# Altium PCB Cubli_Control_Board.PcbDoc (part 1 of 2) (continued)
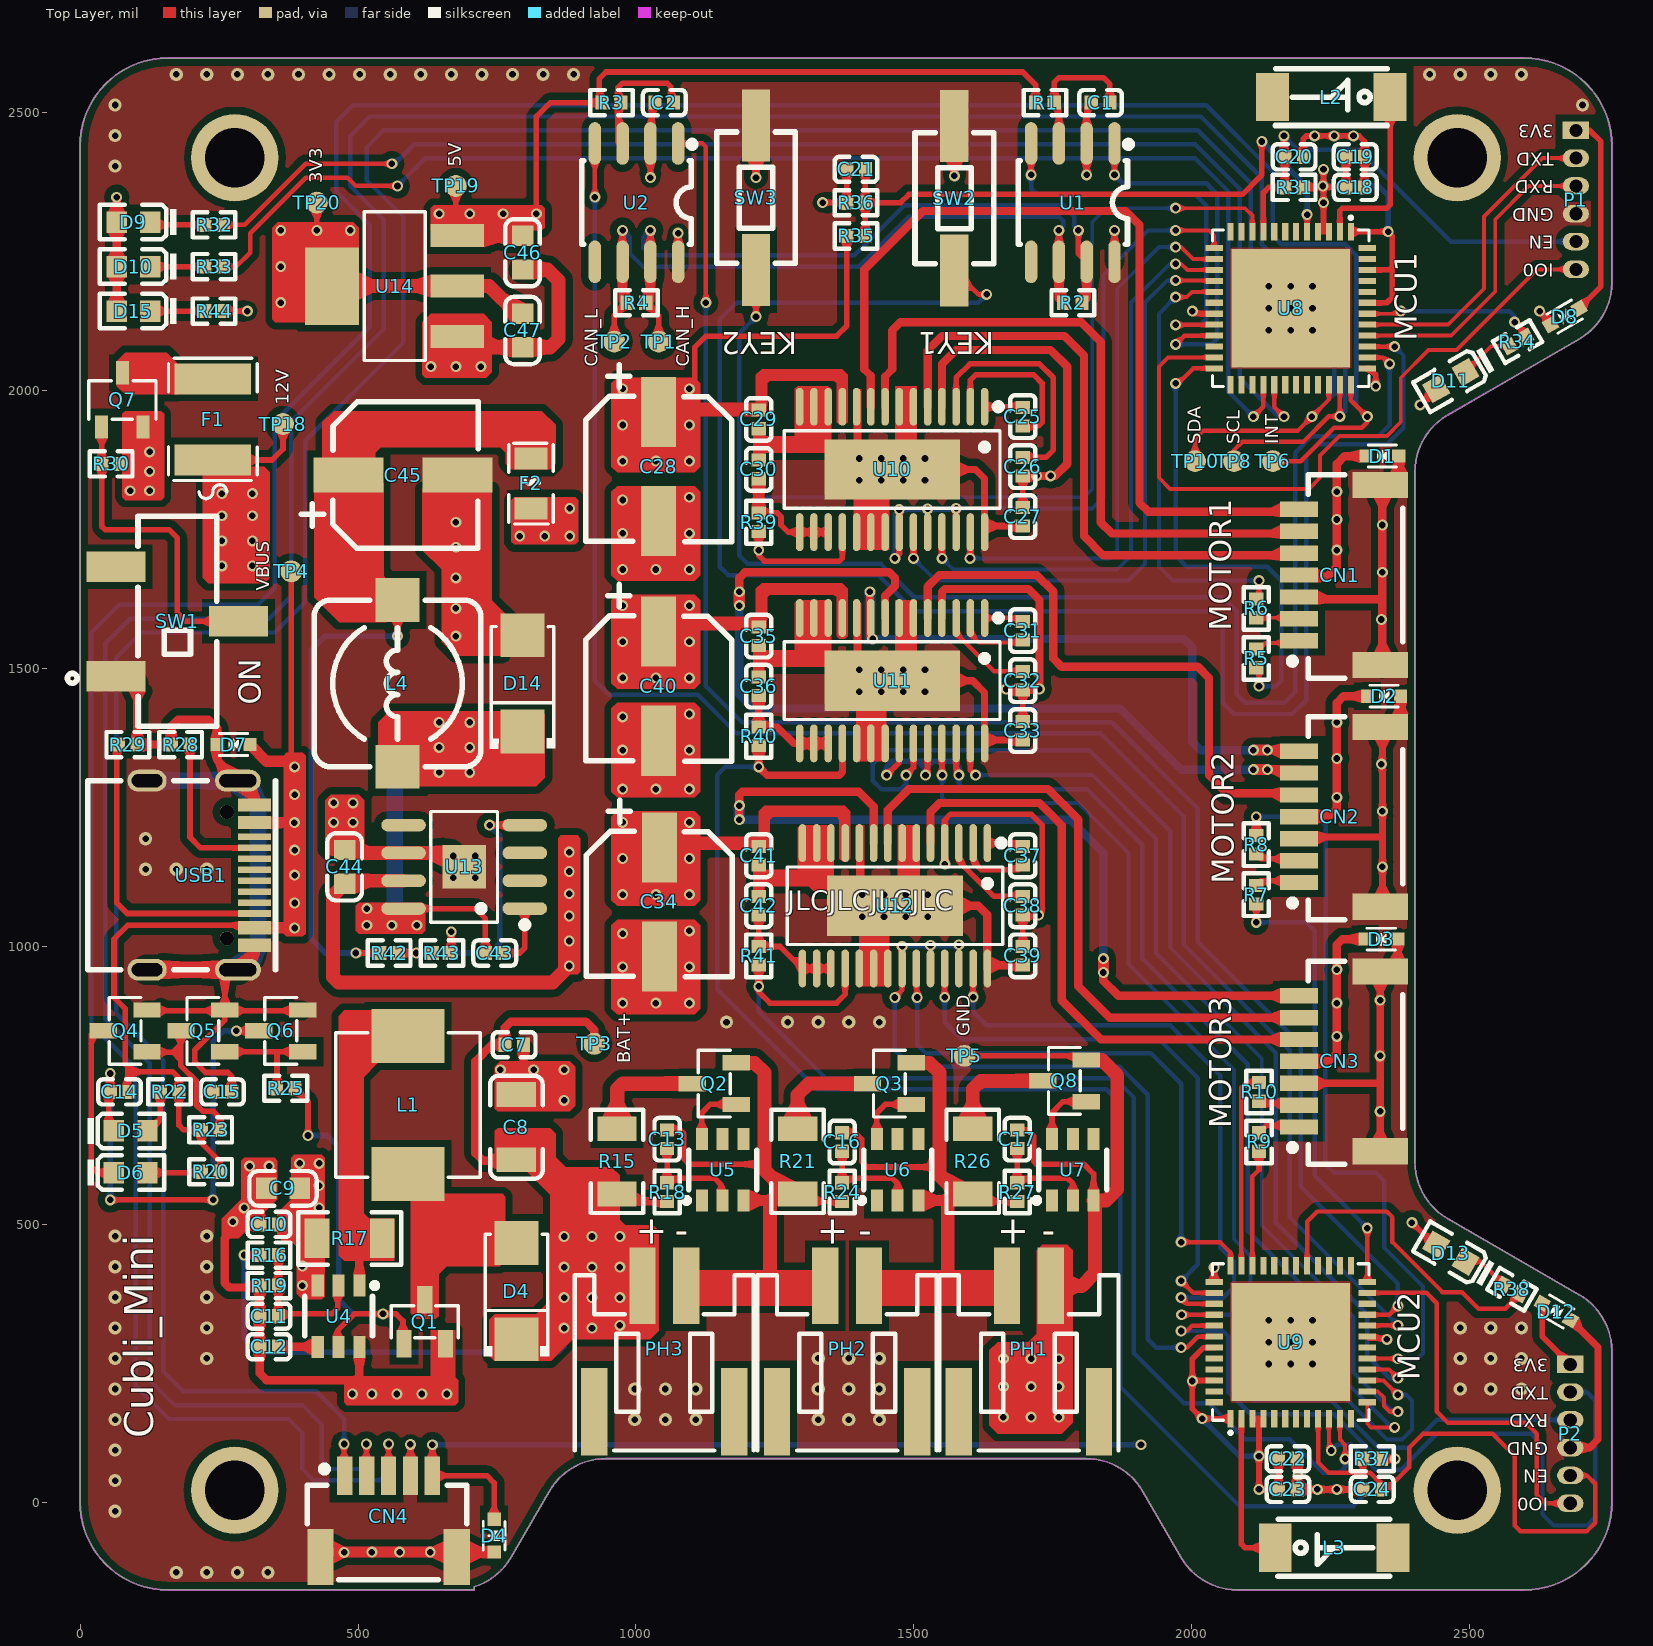
[diagram p0: Top Layer view]
## Components (designator, comment, footprint, x,y, rotation, side; value= is the part's Value field where it differs from the comment) (continued)
D13 "绿灯 0603" 0603_LED_S1 2466,448.36 r150 top
D14 "SS34K" SMA_L4.3-W2.6-LS5.2-RD 796,1473.36 r90 top
D15 "红灯 0603" 0603_LED_S1 96,2143.36 r180 top
F1 "MF-MSMF250/16X-2" F1812 239,1948.36 r90 top
F2 "JK-SMD0805-300L" F0805 811,1833.36 r270 top
L1 "33uH ±20% 2A" IND-SMD_L7.1-W6.6 590,715 r90 top
L2 "AN2051-245" ANT2051 2251,2528.36 r180 top
L3 "AN2051-245" ANT2051 2256,-81.64 r0 top
L4 "22uH ±20% 3A" CDRH74 571,1473.36 r90 top
P1 "HDR1.27-LI-6P" HDR1.27-LI-6P 2691,2343.36 r270 top
P2 "HDR1.27-LI-6P" HDR1.27-LI-6P 2681,123.36 r270 top
PH1 "PH2.0-WS-2P" PH2.0-WS-2P 1707,163.36 r0 top
PH2 "PH2.0-WS-2P" PH2.0-WS-2P 1380,163.36 r0 top
PH3 "PH2.0-WS-2P" PH2.0-WS-2P 1051,163.36 r0 top
Q1 "AO3400A_C700953" SOT-23-3_L2.9-W1.3-P1.90-LS2.4-BR 620,325 r270 top
Q2 "AP2300" SOT-23-3_L2.9-W1.3-P0.95-LS2.4-BR 1141,753.36 r0 top
Q3 "AP2300" SOT-23-3_L2.9-W1.3-P0.95-LS2.4-BR 1456,753.36 r0 top
Q4 "SS8050" SOT-23-3_L2.9-W1.3-P1.90-LS2.4-BR 81,848.36 r0 top
Q5 "SS8050" SOT-23-3_L2.9-W1.3-P1.90-LS2.4-BR 221,848.36 r0 top
Q6 "SS8050" SOT-23-3_L2.9-W1.3-P1.90-LS2.4-BR 361,848.36 r0 top
Q7 "AP2335" SOT-23-3_L2.9-W1.6-P1.90-LS2.8-BR 76,1983.36 r270 top
Q8 "AP2300" SOT-23-3_L2.9-W1.3-P0.95-LS2.4-BR 1771,758.36 r0 top
R1 "0Ω (0R0) ±1%" 0402_R 1736,2518.36 r0 top
R2 "120Ω (1200) ±1%" 0402_R 1786,2158.36 r0 top
R3 "0Ω (0R0) ±1%" 0402_R 956,2518.36 r0 top
R4 "120Ω (1200) ±1%" 0402_R 1001,2158.36 r0 top
R5 "56Ω ±1%" 0402_R 2116,1518.36 r90 top
R6 "56Ω ±1%" 0402_R 2116,1608.36 r270 top
R7 "56Ω ±1%" 0402_R 2116,1093.36 r90 top
R8 "56Ω ±1%" 0402_R 2116,1183.36 r270 top
R9 "56Ω ±1%" 0402_R 2121,648.36 r90 top
R10 "56Ω ±1%" 0402_R 2121,738.36 r270 top
R15 "100Ω ±1%" 1206_R 966,613.36 r270 top
R16 "19.1kΩ ±1%" 0402_R 340,445 r180 top
R17 "0.1Ω (R100) ±1%" 1206_R 485,475 r0 top
R18 "1KΩ (1001) ±1%" 0402_R 1056,558.36 r270 top
R19 "2KΩ (2001) ±1%" 0402_R 340,390 r0 top
R20 "1KΩ (1001) ±1%" 0402_R 235,595 r0 top
R21 "100Ω ±1%" 1206_R 1291,613.36 r270 top
R22 "1KΩ (1001) ±1%" 0402_R 161,738.36 r180 top
R23 "22KΩ (2202) ±1%" 0402_R 235,670 r180 top
R24 "1KΩ (1001) ±1%" 0402_R 1371,558.36 r270 top
R25 "22KΩ (2202) ±1%" 0402_R 370,745 r0 top
R26 "100Ω ±1%" 1206_R 1606,613.36 r270 top
R27 "1KΩ (1001) ±1%" 0402_R 1686,558.36 r270 top
R28 "5.1KΩ (5101) ±1%" 0402_R 181,1363.36 r180 top
R29 "5.1KΩ (5101) ±1%" 0402_R 86,1363.36 r0 top
R30 "10KΩ (1002) ±1%" 0402_R 56,1868.36 r0 top
R31 "10KΩ (1002) ±1%" 0402_R 2184.19,2365.72 r180 top
R32 "1KΩ (1001) ±1%" 0402_R 241,2298.36 r0 top
R33 "1KΩ (1001) ±1%" 0402_R 241,2223.36 r0 top
R34 "1KΩ (1001) ±1%" 0402_R 2586,2088.36 r30 top
R35 "42.2kΩ ±0.5%" 0402_R 1396,2278.36 r180 top
R36 "10KΩ (1002) ±1%" 0402_R 1396,2338.36 r0 top
R37 "10KΩ (1002) ±1%" 0402_R 2324.74,78.36 r180 top
R38 "1KΩ (1001) ±1%" 0402_R 2576,383.36 r330 top
R39 "10KΩ (1002) ±1%" 0402_R 1221,1763.36 r90 top
R40 "10KΩ (1002) ±1%" 0402_R 1221,1378.36 r90 top
R41 "10KΩ (1002) ±1%" 0402_R 1221,983.36 r90 top
R42 "10KΩ (1002) ±1%" 0402_R 556,988.36 r180 top
R43 "3.3KΩ (3301) ±1%" 0402_R 651,988.36 r180 top
R44 "1KΩ (1001) ±1%" 0402_R 241,2143.36 r180 top
SW1 "LSSAM12-V-T/R" SW-SMD_LSSAM12-V-T-R 175,1585 r90 top
SW2 "DTSML-31S-V-T/R" SW-SMD_L6.0-W3.5-LS9.0-1 1573,2346.36 r90 top
SW3 "DTSML-31S-V-T/R" SW-SMD_L6.0-W3.5-LS9.0-1 1216,2347.36 r90 top
TP1 "TP" TP_1X1MM 1041,2088.36 r90 top
TP2 "TP" TP_1X1MM 961,2088.36 r90 top
TP3 "TP" TP_1X1MM 925,825 r90 top
TP4 "TP" TP_1X1MM 380,1675 r90 top
TP5 "TP" TP_1X1MM 1591,803.36 r90 top
TP6 "TP" TP_1X1MM 2146,1873.36 r90 top
TP8 "TP" TP_1X1MM 2076,1873.36 r90 top
TP10 "TP" TP_1X1MM 2006,1873.36 r90 top
TP18 "TP" TP_1X1MM 365,1940 r90 top
TP19 "TP" TP_1X1MM 676,2368.36 r90 top
TP20 "TP" TP_1X1MM 426,2338.36 r180 top
U1 "TJA1040T/CM,118" SOIC-8_L5.0-W4.0-P1.27-LS6.0-BL 1786,2338.36 r180 top
U2 "TJA1040T/CM,118" SOIC-8_L5.0-W4.0-P1.27-LS6.0-BL 1001,2338.36 r180 top
U4 "CN3300" SOT-23-6_L2.9-W1.6-P0.95-LS2.8-BR 465,335 r90 top
U5 "CM1010-A" SOT-23-6_L2.9-W1.6-P0.95-LS2.8-BR 1156,598.36 r270 top
U6 "CM1010-A" SOT-23-6_L2.9-W1.6-P0.95-LS2.8-BR 1471,598.36 r270 top
U7 "CM1010-A" SOT-23-6_L2.9-W1.6-P0.95-LS2.8-BR 1786,598.36 r270 top
U8 "ESP32-PICO-D4" QFN-48_L7.0-W7.0-P0.50-BL-EP5.4 2178,2148.36 r180 top
U9 "ESP32-PICO-D4" QFN-48_L7.0-W7.0-P0.50-BL-EP5.4 2178,288.36 r0 top
U10 "DRV8313PWPR" HTSSOP-28_L9.8-W4.5-P0.65-LS6.6-BL-EP 1461,1858.36 r180 top
U11 "DRV8313PWPR" HTSSOP-28_L9.8-W4.5-P0.65-LS6.6-BL-EP 1461,1478.36 r180 top
U12 "DRV8313PWPR" HTSSOP-28_L9.8-W4.5-P0.65-LS6.6-BL-EP 1466,1073.36 r180 top
U13 "TPS5430DDAR" SOIC-8_L5.0-W4.0-P1.27-LS6.0-BL-EP2.0 691,1143.36 r90 top
U14 "AMS1117-3.3V" SOT-223_L6.5-W3.5-P2.30-LS7.0-BR 566,2188.36 r0 top
USB1 "TYPE-C16PIN" TYPE-C16PIN 217,1128.36 r270 top

## Footprints (in the part's own frame and the unit in brackets; to place one, negate y for a bottom-side part, rotate by r counter-clockwise, add the part's x,y. Pads: shape width x height; smd on the part's side, far side on the other; paste and mask are expansions set on the pad)
0402_C [mm]
  rect 0.6x0.65 smd mask+0.051: 1(-0.425,0) 2(0.425,0)
  silkscreen extent -0.97,-0.58 0.97,0.58, body extent -0.48,-0.3 0.52,0.3, height 0.2
0402_R [mm]
  rect 0.6x0.65 smd mask+0.051: 1(-0.425,0) 2(0.425,0)
  silkscreen extent -0.97,-0.58 0.97,0.58, body extent -0.57,-0.27 0.58,0.28, height 0.41
0603_C [mm]
  rect 0.93x0.98 smd: 1(-0.77,0) 2(0.77,0)
  silkscreen extent -1.53,-0.79 1.54,0.79, body extent -0.8,-0.4 0.8,0.4, height 0.3
0603_LED_S1 [mm]
  rect 0.93x0.98 smd: A(0.77,0) K(-0.77,0)
  silkscreen extent -1.97,-0.79 1.54,0.79, body extent -0.8,-0.4 0.8,0.4, height 0.6
1206_C [mm]
  rect 1.13x1.8 smd: 1(-1.49,0) 2(1.49,0)
  silkscreen extent -2.36,-1.2 2.35,1.2, body extent -1.6,-0.81 1.6,0.79, height 1
1206_R [mm]
  rect 1.13x1.8 smd: 1(-1.49,0) 2(1.49,0)
  silkscreen extent -2.36,-1.2 2.35,1.2, body extent -1.7,-0.86 1.65,0.87, height 0.85
ANT2051 [mm]
  rect 1.5x2.2 smd: 1(-2.69,0) 2(2.69,0)
  silkscreen extent -2.56,-1.3 2.55,1.3, body extent -2.69,-0.95 2.51,1.05, height 1.2
CAP-SMD_L6.6-W6.6 [mm]
  rect 3.2x1.6 smd: 1(2.492,0) 2(-2.492,0)
  silkscreen extent -3.43,-3.34 4.65,3.34, body extent -3.6,-3.33 3.4,3.27, height 5.2
CDRH74 [mm] "7.3*7.3*4.5mm（长宽高）"
  rect 2x2 smd: 1(-3.81,0) 2(3.81,0)
  silkscreen extent -3.81,-3.81 3.81,3.81, body extent -3.65,-3.65 3.65,3.65, height 4.5
CONN-SMD_5P-P1.00_HCTL_HC-1.0-5PWT [mm]
  rect 0.7x1.75 smd: 1(-2,1.855) 2(-1,1.855) 3(0,1.855) 4(1,1.855) 5(2,1.855)
  rect 1.2x2.55 smd: 6(3.11,-1.855) 7(-3.11,-1.855)
  silkscreen extent -3.71,-2.89 3.58,2.31, body extent -3.65,-2.91 3.65,2.14, height 3.14
CONN-SMD_HC-1.0-7PWT [mm]
  rect 0.7x1.75 smd: 1(-3,1.855) 2(-2,1.855) 3(-1,1.855) 4(0,1.855) 5(1,1.855) 6(2,1.855) 7(3,1.855)
  rect 1.2x2.55 smd: 8(-4.11,-1.855) 9(4.11,-1.855)
  silkscreen extent -4.71,-2.89 4.58,2.31, body extent -4.65,-2.99 4.65,2.06, height 3.1
F0805 [mm]
  rect 1x1.5 smd: 1(-1.142,0) 2(1.142,0)
  silkscreen extent -1.83,-1.02 1.85,1.02, body extent -1,-0.58 1,0.64, height 0.52
F1812 [mil]
  rect 55.38x137.76 smd: 1(-72.97,0) 2(72.97,0)
  silkscreen extent -142,-80 110,80, body extent -91,-63 91,63, height 34
HDR1.27-LI-6P [mm] "直插，脚距：1.27mm"
  rect 0.8x1.2 hole 0.6: 1(-3.175,0)
  oval 0.8x1.2 hole 0.6: 2(-1.905,0) 3(-0.635,0) 4(0.635,0) 5(1.905,0) 6(3.175,0)
HTSSOP-28_L9.8-W4.5-P0.65-LS6.6-BL-EP [mm]
  oval 0.343x1.731 smd: 1(-4.225,-2.866) 2(-3.575,-2.866) 3(-2.925,-2.866) 4(-2.275,-2.866) 5(-1.625,-2.866) 6(-0.975,-2.866) 7(-0.325,-2.866) 8(0.325,-2.866) 9(0.975,-2.866) 10(1.625,-2.866) 11(2.275,-2.866) 12(2.925,-2.866) 13(3.575,-2.866) 14(4.225,-2.866) 15(4.225,2.866) 16(3.575,2.866) 17(2.925,2.866) 18(2.275,2.866) 19(1.625,2.866) 20(0.975,2.866) 21(0.325,2.866) 22(-0.325,2.866) 23(-0.975,2.866) 24(-1.625,2.866) 25(-2.275,2.866) 26(-2.925,2.866) 27(-3.575,2.866) 28(-4.225,2.866)
  rect 6.2x2.75 smd: 29(0,0)
  silkscreen extent -5,-3.02 4.93,1.77, body extent -4.85,-3.2 4.85,3.2, height 1.13
IND-SMD_L7.1-W6.6 [mm]
  rect 2.474x3.32 smd: 1(3.153,0) 2(-3.153,0)
  silkscreen extent -3.3,-3.3 3.3,3.3, body extent -3.5,-3.32 3.5,3.38, height 3.1
PH2.0-WS-2P [mm] "长：8mm，宽：7.6mm，高：5.5mm"
  rect 1.2x4 smd: 0(-3.2,-0.006) 0(3.2,-0.006)
  rect 1.2x3.5 smd: 1(-1,5.744) 2(1,5.744)
  silkscreen extent -4.1,-1.78 4.1,6.22, body extent -4,-1.65 4,6.95, height 5.55
QFN-48_L7.0-W7.0-P0.50-BL-EP5.4 [mm]
  rect 0.28x0.8 smd: 1(-2.75,-3.5) 2(-2.25,-3.5) 3(-1.75,-3.5) 4(-1.25,-3.5) 5(-0.75,-3.5) 6(-0.25,-3.5) 7(0.25,-3.5) 8(0.75,-3.5) 9(1.25,-3.5) 10(1.75,-3.5) 11(2.25,-3.5) 12(2.75,-3.5) 25(2.75,3.5) 26(2.25,3.5) 27(1.75,3.5) 28(1.25,3.5) 29(0.75,3.5) 30(0.25,3.5) 31(-0.25,3.5) 32(-0.75,3.5) 33(-1.25,3.5) 34(-1.75,3.5) 35(-2.25,3.5) 36(-2.75,3.5)
  rect 0.8x0.28 smd: 13(3.5,-2.75) 14(3.5,-2.25) 15(3.5,-1.75) 16(3.5,-1.25) 17(3.5,-0.75) 18(3.5,-0.25) 19(3.5,0.25) 20(3.5,0.75) 21(3.5,1.25) 22(3.5,1.75) 23(3.5,2.25) 24(3.5,2.75) 37(-3.5,2.75) 38(-3.5,2.25) 39(-3.5,1.75) 40(-3.5,1.25) 41(-3.5,0.75) 42(-3.5,0.25) 43(-3.5,-0.25) 44(-3.5,-0.75) 45(-3.5,-1.25) 46(-3.5,-1.75) 47(-3.5,-2.25) 48(-3.5,-2.75)
  rect 5.4x5.4 smd: 49(0,0)
  silkscreen extent -3.58,-4.21 3.58,3.58, body extent -3.56,-3.51 3.44,3.49, height 0.94
SMA_L4.3-W2.6-LS5.2-RD [mm]
  rect 2x2 smd: 1(-2.2,0) 2(2.2,0)
  silkscreen extent -2.98,-1.5 2.6,1.5, body extent -2.55,-1.3 2.55,1.3, height 2.15
SOD-523_L1.2-W0.8-LS1.6-BI [mm]
  rect 0.6x0.6 smd: 1(-0.75,0) 2(0.75,0)
  silkscreen extent -0.65,-0.5 0.65,0.5, body extent -0.75,-0.4 0.85,0.4, height 0.65
SOIC-8_L5.0-W4.0-P1.27-LS6.0-BL [mil]
  oval 22.38x76.78 smd: 1(-75,-106.5) 2(-25,-106.5) 3(25,-106.5) 4(75,-106.5) 5(75,106.5) 6(25,106.5) 7(-25,106.5) 8(-75,106.5)
  silkscreen extent -106,-111 98,75, body extent -98,-116 100,122, height 63
SOIC-8_L5.0-W4.0-P1.27-LS6.0-BL-EP2.0 [mm]
  oval 0.574x2.038 smd: 1(-1.905,-2.769) 2(-0.635,-2.769) 3(0.635,-2.769) 4(1.905,-2.769) 5(1.905,2.769) 6(0.635,2.769) 7(-0.635,2.769) 8(-1.905,2.769)
  rect 2x2 smd: 9(0,0)
  silkscreen extent -2.79,-2.92 2.53,1.52, body extent -2.49,-3 2.51,3, height 1.9
SOT-23-3_L2.9-W1.3-P0.95-LS2.4-BR [mm]
  rect 1.25x0.7 smd: 1(1,-0.95) 2(1,0.95) 3(-1,0)
  silkscreen extent -0.73,-1.53 0.73,1.53, body extent -1.2,-1.53 1.2,1.47, height 1.05
SOT-23-3_L2.9-W1.3-P1.90-LS2.4-BR [mm]
  rect 1.25x0.7 smd: 1(1,-0.95) 2(1,0.95) 3(-1,0)
  silkscreen extent -0.73,-1.53 0.73,1.53, body extent -1.2,-1.5 1.2,1.5, height 1.05
SOT-23-3_L2.9-W1.6-P1.90-LS2.8-BR [mm]
  rect 1.07x0.6 smd: 1(1.235,-0.95) 2(1.235,0.95) 3(-1.235,0)
  silkscreen extent -0.88,-1.54 0.88,1.54, body extent -1.2,-1.5 1.2,1.5, height 1.05
SOT-23-6_L2.9-W1.6-P0.95-LS2.8-BR [mm]
  rect 1x0.55 smd: 1(1.4,-0.95) 2(1.4,0) 3(1.4,0.95) 4(-1.4,0.95) 5(-1.4,0) 6(-1.4,-0.95)
  silkscreen extent -0.9,-1.78 1.52,1.55, body extent -1.4,-1.5 1.4,1.5, height 1.15
SOT-223_L6.5-W3.5-P2.30-LS7.0-BR [mm]
  rect 2.465x1.05 smd: 1(2.857,-2.3) 2(2.857,0) 3(2.857,2.3)
  rect 2.465x3.54 smd: 4(-2.857,0)
  silkscreen extent -1.4,-3.4 1.4,3.4, body extent -3.38,-3.25 3.64,3.25, height 1.65
SW-SMD_L6.0-W3.5-LS9.0-1 [mm]
  rect 3.3x1.3 smd: 1(-3.3,0) 2(3.3,0)
  silkscreen extent -3,-1.8 3,1.8, body extent -4.57,-1.77 4.63,1.73, height 5.1
SW-SMD_LSSAM12-V-T-R [mm]
  rect 1.4x2.7 smd: 1(-2.5,2.8) 2(0,-2.8) 3(2.5,2.8)
  silkscreen extent -4.8,-1.8 4.8,5.02, body extent -4.75,-3.74 4.75,3.76, height 5.45
TP_1X1MM [mm]
  round 1 smd: 1(0,0)
TYPE-C16PIN [mm]
  oval 1x2.099 hole 0.6 slot 1.7 at 90 deg: 1(-4.32,1.699) 2(4.32,1.699)
  oval 1x1.799 hole 0.6 slot 1.4 at 90 deg: 3(-4.32,-2.451) 4(4.32,-2.451)
  rect 0.6x1.5 smd: A1B12(-3.2,2.451) A4B9(-2.4,2.451) B1A12(3.2,2.451) B4A9(2.4,2.451)
  rect 0.3x1.5 smd: A5(-1.25,2.451) A6(-0.25,2.451) A7(0.25,2.451) A8(-1.75,2.451) B5(1.75,2.451) B6(0.75,2.451) B7(-0.75,2.451) B8(1.25,2.451)
  round 0.65 hole 0.65 unplated: ""(-2.89,1.199) ""(2.89,1.199)
  silkscreen extent -4.32,-5.17 4.32,3.42, body extent -4.47,-5.04 4.47,2.86, height 3.25

## Part data
C1 C2 C7 C10 C11 C13 C16 C17 C18 C21 C22 C26 C27 C29 C32 C33 C35 C38 C39 C41: library part "0402 100nF (104) 10% 16V", "贴片电容"
C8: library part "1206 1uF (105) 10% 50V", "贴片电容"
C9 C44 C46 C47: library part "0603 10uF (106) 10% 10V", "贴片电容"
C12: library part "0402 4.7uF (475) 20% 10V", "贴片电容"
C14 C15 C20 C24: library part "0402 1.0uF (105) 10% 25V", "贴片电容"
C19 C23 C30 C36 C42: library part "0402 10uF (106) 20% 6.3V", "贴片电容"
C25 C31 C37 C43: library part "0402 10nF (103) 10% 50V", "贴片电容"
C28 C34 C40 C45: library part C, "5*12.5*20"
D5 D15: library part "0603 红灯", "发光二极管"
D6 D10 D11 D13: library part "0603 绿灯", "发光二极管"
D9: library part "0603 蓝灯", "发光二极管"
F1 F2: library part JK
L1 L4: library part L
R1 R3: library part "0402 0Ω (0R0) 1%", "贴片电阻"
R2 R4: library part "0402 120Ω (1200) 1%", "贴片电阻"
R5 R6 R7 R8 R9 R10: library part "0402 56KΩ (5602) 1%", "贴片电阻"
R15 R21 R26: library part "1206 22Ω (22R0) 1%", "贴片电阻"
R16 R18 R20 R22 R24 R27 R32 R33 R34 R35 R38 R44: library part "0402 1KΩ (1001) 1%", "贴片电阻"
R17: library part "1206 0.1Ω (R100) 1%", "贴片电阻"
R19: library part "0402 2KΩ (2001) 1%", "贴片电阻"
R23 R25: library part "0402 22KΩ (2202) 1%", "贴片电阻"
R28 R29: library part "0402 5.1KΩ (5101) 1%", "贴片电阻"
R30 R31 R36 R37 R39 R40 R41 R42: library part "0402 10KΩ (1002) 1%", "贴片电阻"
R43: library part "0402 3.3KΩ (3301) 1%", "贴片电阻"

## Free pads (board coordinates)
  round 157.48 hole 106.3: 0(278.28,21.79) 0(278.28,2419.15) 0(2477.65,21.79) 0(2477.65,2419.19)

## Via types
v1: diameter 19.68, hole 11.81, Top Layer to Bottom Layer, tented both sides, 307 vias
v2: diameter 23.62, hole 11.81, Top Layer to Bottom Layer, tented both sides, 98 vias
v3: diameter 24.02, hole 12, Top Layer to Bottom Layer, tented both sides, 18 vias
v4: diameter 24, hole 12, Top Layer to Bottom Layer, 4 vias

## Nets (pads, with @x,y where several pads share a name; then routed paths per layer and width w, separated by ;. In a path a pad name is that pad's centre, name@x,y a point inside that pad or via, vN(x,y) a via of type N, cw(c..) or ccw(c..) an arc to the next point about the centre after c; other vN are vias at no path point)
BAT1+: C16.1 PH1.1 PH2.2 Q3.2 R26.2 R27.2 U6.3 | length 838.7
  Top Layer w10: C16.1@1371,665.09 1394.27,665.09 1406,653.36 1406,613.36 1416,603.36 1546,603.36 ; R26.2@1619.07,541.63 R27.2@1686,541.63
  Top Layer w20: U6.3@1508.4,543.24 R26.2@1594.54,543.24
  Top Layer w25: Q3.2@1495.37,790.76 1528.6,790.76 1546,773.36 1546,603.36 1546,588.36 1579.66,554.7 R26.2@1594.54,554.7 ; 1561,388.36 1561,544.7
BAT2+: C13.1 PH2.1 PH3.2 Q2.2 R21.2 R24.2 U5.3 | length 830.9
  Top Layer w10: C13.1@1056,670.09 1079.27,670.09 1086,663.36 1086,618.36 1096,608.36 1231,608.36 ; R21.2@1304.07,541.63 R24.2@1371,541.63
  Top Layer w20: U5.3@1193.4,543.24 R21.2@1274.54,543.24
  Top Layer w25: Q2.2@1180.37,790.76 1213.6,790.76 1231,773.36 1231,598.36 1274.66,554.7 R21.2@1291,554.7 ; 1241,388.36 1241,533.36
BAT3+: C7.2 C8.2 D4.1@785,293.38 PH3.1 Q7.2 R15.2 R16.2 R18.2 R30.2 TP3.1 | length 1407.1
  Top Layer w10: v1(295,445) R16.2@323.27,445
  Top Layer w15: C7.2@759.27,823.36 741,823.36 711,793.36 711,628.36 724.66,614.7 C8.2@781,614.7 ; C7.2@764.27,823.36 764.27,854.27 775,865 910,865 925,850 TP3.1@925,825 ; R15.2@979.07,541.63 R18.2@1056,541.63
  Bottom Layer w10: v1(295,445) 295,295 320,270 860,270 871,281 v1(871,313.36)
  other v1: 921,313.36 971,318.36 871,368.36 921,368.36 971,368.36 871,423.36 921,423.36 971,423.36 871,478.36 921,478.36 971,478.36 90,1820 125,1820 125,1855 125,1890
BAT_ADC1_CH0: C21.2 R35.1 R36.2 U8.5 | length 1109.9
  Top Layer w7: U8.5@2207.53,2286.16 v1(2207.53,2316.83)
  Top Layer w10: R35.1@1412.73,2278.36 R36.2@1412.73,2338.36 ; C21.2@1412.73,2398.36 R36.2@1412.73,2338.36 ; v1(2126,2448.36) 2126,2388.36 2091,2353.36 1491,2353.36 1476,2338.36 R36.2@1412.73,2338.36
  Bottom Layer w10: v1(2126,2448.36) 2207.53,2366.83 v1(2207.53,2316.83)
CAN1_RXD: U1.4 U8.20 | length 742.7
  Top Layer w8: v1(1711,2388.36) U1.4@1711,2444.86 ; v1(1971,2118.45) 2040.21,2118.45 U8.20@2040.21,2118.82
  Bottom Layer w8: v1(1711,2388.36) 1711,2363.36 1721,2353.36 2006,2353.36 2026.09,2333.27 2026.09,2128.45 2016.09,2118.45 v1(1971,2118.45)
CAN1_TXD: U1.1 U8.21 | length 670.9
  Top Layer w8: v1(1861,2388.36) U1.1@1861,2444.86 ; v1(1971,2083.36) 1986.78,2099.14 U8.21@2040.21,2099.14
  Bottom Layer w8: v1(1861,2388.36) 1876,2373.36 2026,2373.36 2046,2353.36 2046,2093.36 2036,2083.36 v1(1971,2083.36)
CAN2_RXD: U2.4 U9.20 | length 3258
  Top Layer w8: v1(926,2348.36) U2.4@926,2444.86 ; U9.20@2315.79,317.9 2315.79,318.11 2316.04,318.36 v1(2371,318.36)
  Bottom Layer w8: v1(926,2348.36) 926,1478.36 951,1453.36 1111,1453.36 1181,1383.36 1836,1383.36 1986,1233.36 1986,1003.36 2176,813.36 2176,513.36 v1(2371,318.36)
CAN2_TXD: U2.1 U9.21 | length 3104.7
  Top Layer w8: U2.1@1076,2444.86 1119.5,2444.86 1126,2438.36 v1(1126,2158.36) ; U9.21@2315.8,337.58 2355.22,337.58 v1(2371,353.36)
  Bottom Layer w8: v1(1126,2158.36) 1126,1468.36 1191,1403.36 1856,1403.36 2011,1248.36 2011,1008.36 2196,823.36 2196,568.36 2356,408.36 2371,393.36 v1(2371,353.36)
CAN_N: R2.1 R4.1 TP2.1 U1.6 U2.6 | length 1220.1
  Top Layer w10: TP2.1@961,2088.36 961,2135.09 R4.1@984.27,2158.36 ; U2.6@976,2231.86 v1(976,2288.36) ; U1.6@1761,2231.86 v1(1761,2288.36)
  Top Layer w15: R4.1@976,2161.63 U2.6@976,2226.86 ; R2.1@1761,2166.63 U1.6@1761,2231.86
  Bottom Layer w8: v1(976,2288.36) 988.5,2275.86 988.5,2247.58 1012.72,2223.36 1401,2223.36 1491,2313.36 1761,2313.36 1768.5,2305.86 1768.5,2295.86 v1(1761,2288.36)
CAN_P: R2.2 R4.2 TP1.1 U1.7 U2.7 | length 1241.1
  Top Layer w10: R4.2@1017.73,2158.36 1020.23,2155.86 1041,2135.09 TP1.1@1041,2088.36 ; U2.7@1026,2231.86 v1(1026,2288.36) ; v1(1796,2288.36) 1796,2246.86 U1.7@1811,2231.86
  Top Layer w15: R4.2@1020.23,2155.86 1026,2161.63 U2.7@1026,2226.86 ; R2.2@1802.73,2158.36 1811,2166.63 U1.7@1811,2231.86
  Bottom Layer w8: v1(1026,2288.36) 1013.5,2275.86 1013.5,2255.86 1026,2243.36 1392.72,2243.36 1482.72,2333.36 1769.28,2333.36 1788.5,2314.14 1788.5,2295.86 v1(1796,2288.36)
GND: C1.1 C2.1 C7.1 C8.1 C9.1 C10.1 C11.1 C12.1 C15.1 C17.1 C18.1 C19.1 C20.1 C21.1 C22.1 C23.1 C24.1 C27.1 C28.2 C29.1 C30.1 C33.1 C34.2 C35.1 C36.1 C39.1 C40.2 C41.1 C42.1 C44.2 C45.2 C46.1 C47.1 CN1.3 CN1.8 CN1.9 CN2.3 CN2.8 CN2.9 CN3.3 CN3.8 CN3.9 CN4.4 CN4.6 CN4.7 D1.2 D2.2 D3.2 D4.2@745,-89.53 D7.1 D8.1 D12.1 D14.2 P1.4 P2.4 PH1.2 Q1.2 Q4.2 Q5.2 Q6.2 Q8.2 R19.1 R28.2 R29.2 R36.1 R43.1 R44.1 SW1.1 SW2.2 SW3.2 TP5.1 U1.2 U1.8 U2.2 U2.8 U4.6 U7.3 U8.49 U9.49 U10.6 U10.7 U10.10 U10.12 U10.13 U10.14 U10.19 U10.20 U10.21 U10.28 U10.29 U11.6 U11.7 U11.10 U11.12 U11.13 U11.14 U11.19 U11.20 U11.21 U11.28 U11.29 U12.6 U12.7 U12.10 U12.12 U12.13 U12.14 U12.19 U12.20 U12.21 U12.28 U12.29 U13.6 U13.9 U14.1 USB1.1 USB1.2 USB1.3 USB1.4 USB1.A1B12 USB1.B1A12 | length 8565
  Top Layer w10: Q4.2@119.37,884.76 Q5.2@260.37,884.76 ; R44.1@257.73,2143.36 v1(301,2143.36) ; USB1.2@260.37,958.28 Q5.2@260.37,885.76 Q5.2@260.37,884.76 ; C15.1@272.73,738.36 272.73,766.63 266,773.36 226,773.36 206,793.36 206,813.36 260.37,867.73 Q5.2@260.37,884.76 ; Q6.2@398.37,884.76 Q5.2@260.37,884.76 ; CN4.4@594.36,48.03 v1(594.36,104.36) ; R43.1@667.73,988.36 v1(667.73,1026.63) ; v1(1026,2383.36) U2.2@1026,2439.86 ; U2.2@1029.27,2443.13 C2.1@1029.27,2518.36 ; U2.8@1076,2226.86 v1(1076,2283.36) ; v1(1336,2338.36) R36.1@1379.27,2338.36 C21.1@1379.27,2398.36 ; TP5.1@1591,803.36 Q8.2@1802.77,803.36 ; C17.1@1686,670.09 1704.27,670.09 1716,658.36 1716,613.36 1721,608.36 1806,608.36 1823.4,590.96 U7.3@1823.4,543.24 ; v1(1811,2388.36) U1.2@1811,2444.86 1811,2510.09 C1.1@1819.27,2518.36 ; U1.8@1861,2231.86 v1(1861,2288.36) ; C20.1@2200.92,2420.72 2200.92,2453.28 2206,2458.36 2301,2458.36 2310.92,2448.44 C19.1@2310.92,2420.72 C18.1@2310.92,2365.72 ; v1(2626,2143.36) 2645.43,2123.93 D8.1@2645.43,2118.6
  Top Layer w13: U11.29@1461,1478.36 1606.01,1478.36 1627.34,1457.02 U11.28@1627.34,1365.53 ; U10.29@1461,1858.36 1611.01,1858.36 1627.34,1842.02 U10.28@1627.34,1745.53 ; U10.28@1627.34,1756.63 C27.1@1696,1756.63 ; U11.28@1633.44,1371.63 C33.1@1696,1371.63 ; C22.1@2189.74,78.36 C23.1@2189.74,23.36 C24.1@2308.01,23.36 ; CN3.3@2192.96,753.98 2338.41,753.98 ; CN2.3@2196.96,1196.98 2341.65,1196.98 ; CN3.8@2339.03,631.56 CN3.9@2339.03,955.16 ; CN2.8@2343.03,1074.56 CN2.9@2343.03,1398.16 ; CN3.9@2370.53,970.66 D3.2@2370.53,1014.36 ; P2.4@2681,98.36 2716,98.36 2731,113.36 2731,279.17 D12.1@2681.57,328.6
  Top Layer w15: SW1.1@102.73,1475 R29.2@102.73,1363.36 R28.2@164.27,1363.36 164.27,1396.63 176,1408.36 231,1408.36 246.47,1392.89 D7.1@246.47,1363.36 246.47,1335.84 USB1.1@283.87,1298.44 ; C9.1@323.27,553.58 C10.1@323.27,500 285,500 260,475 260,395 268.37,386.63 323.27,386.63 C11.1@323.27,335 C12.1@323.27,280 323.27,231.73 335,220 495,220 ; U4.6@502.39,279.88 502.39,227.39 495,220 ; 650,220 495,220 ; C8.1@797.73,743.75 C7.1@797.73,813.36 ; v1(1216,2383.36) SW3.2@1216,2477.28 ; U12.29@1466,1073.36 1616.01,1073.36 1632.34,1057.02 U12.28@1632.34,960.53 ; v1(1573,2386.36) SW2.2@1573,2476.28 ; U12.28@1634.07,966.63 C39.1@1696,966.63 ; CN1.3@2196.96,1624.98 2341.41,1624.98 ; CN1.8@2343.03,1502.56 v1(2343.03,1758.36) CN1.9@2343.03,1826.16 ; CN1.9@2372.53,1838.36 D1.2@2372.53,1882.36 ; CN2.9@2375.53,1408.36 D2.2@2375.53,1450.36
  Top Layer w20: USB1.2@283.87,958.28 313.51,987.91 USB1.B1A12@313.51,1002.38 ; USB1.1@283.87,1298.44 313.51,1268.8 USB1.A1B12@313.51,1254.35 ; CN4.7@441.06,-89.53 D4.2@745,-89.53
  Top Layer w25: C44.2@481.32,1168.36 U13.6@581.98,1168.36 U13.9@666,1168.36 ; 711,2073.36 715.68,2078.05 C47.1@796,2078.05 845.68,2078.05 861,2093.36 861,2198.36 841.32,2218.05 C46.1@796,2218.05 ; PH1.2@1746.37,389.52 1802.16,389.52 1826,413.36 U7.3@1826,533.24 ; Q8.2@1810.37,795.76 1838.6,795.76 1866,768.36 1866,563.36 1845.88,543.24 U7.3@1823.4,543.24
  Top Layer w30: USB1.4@120.5,958.28 260.37,958.28 USB1.2@283.87,958.28
  Bottom Layer w30: USB1.3@120.49,1298.44 USB1.1@283.87,1298.44 320,1262.31 320,994.4 USB1.2@283.87,958.28
  other v1: 475,-90 525,-89.53 575,-89.53 630,-89.53 2226,23.36 2261,23.36 2191,48.36 1661,153.36 1711,153.36 1761,153.36 490,195 525,195 570,195 615,195 660,195 1661,208.36 1711,208.36 1761,208.36 1661,258.36 1711,258.36 1761,258.36 275,505 295,530 305,605 340,605 2339.03,703.36 871,723.36 756,778.36 816,778.36 871,778.36 2339.03,803.36 976,898.36 1036,898.36 1096,898.36 2339.03,903.36 976,963.36 1096,963.36 976,1023.36 1096,1028.36 2343.03,1143.36 456,1223.36 491,1223.36 2343.03,1243.36 456,1258.36 491,1258.36 976,1283.36 1036,1283.36 1096,1283.36 2341,1328.36 976,1353.36 1096,1353.36 976,1413.36 1096,1418.36 676,1558.36 2341,1588.36 676,1608.36 676,1663.36 2343.03,1673.36 976,1678.36 1036,1678.36 1096,1678.36 676,1718.36 976,1743.36 1096,1743.36 676,1763.36 976,1803.36 1096,1808.36 631,2043.36 676,2043.36 721,2043.36 2221,2458.36 2256,2458.36 2291,2458.36
  other v2: 172.96,-125.97 227.96,-125.97 282.96,-125.97 337.96,-125.97 62.96,-15.97 62.96,39.03 62.96,94.03 62.96,149.03 997.96,149.03 1052.96,149.03 1107.96,149.03 1327.96,149.03 1382.96,149.03 1437.96,149.03 62.96,204.03 997.96,204.03 1052.96,204.03 1107.96,204.03 1327.96,204.03 1382.96,204.03 1437.96,204.03 2482.96,204.03 2537.96,204.03 2592.96,204.03 62.96,259.03 227.96,259.03 1327.96,259.03 1382.96,259.03 1437.96,259.03 2482.96,259.03 2537.96,259.03 2592.96,259.03 62.96,314.03 227.96,314.03 2482.96,314.03 2537.96,314.03 2592.96,314.03 62.96,369.03 227.96,369.03 62.96,424.03 227.96,424.03 62.96,479.03 227.96,479.03 1162.96,864.03 1272.96,864.03 1327.96,864.03 1382.96,864.03 1437.96,864.03 1406.94,1053.68 1446.31,1053.68 1485.68,1053.68 1525.05,1053.68 1406.94,1093.05 1446.31,1093.05 1485.68,1093.05 1525.05,1093.05 117.96,1139.03 172.96,1139.03 227.96,1139.03 117.96,1194.03 1401.94,1458.68 1441.31,1458.68 1480.68,1458.68 1520.05,1458.68 1401.94,1498.05 1441.31,1498.05 1480.68,1498.05 1520.05,1498.05 1401.94,1838.68 1441.31,1838.68 1480.68,1838.68 1520.05,1838.68 1401.94,1878.05 1441.31,1878.05 1480.68,1878.05 1520.05,1878.05 62.96,2404.03 62.96,2459.03 62.96,2514.03 2702.96,2514.03 172.96,2569.03 227.96,2569.03 282.96,2569.03 337.96,2569.03 392.96,2569.03 447.96,2569.03 502.96,2569.03 557.96,2569.03 612.96,2569.03 667.96,2569.03 722.96,2569.03 777.96,2569.03 832.96,2569.03 887.96,2569.03 2427.96,2569.03 2482.96,2569.03 2537.96,2569.03 2592.96,2569.03
  other v3: 2138.63,248.99 2178,248.99 2217.37,248.99 2138.63,288.37 2178,288.37 2217.37,288.37 2138.64,327.74 2178,327.74 2217.38,327.74 2138.63,2108.99 2178,2108.99 2217.37,2108.99 2138.63,2148.36 2178,2148.36 2217.38,2148.36 2138.63,2187.74 2178,2187.74 2217.38,2187.74
  other v4: 671.32,1123.68 710.69,1123.68 671.32,1163.05 710.69,1163.05
IMU_INT: CN4.3 TP6.1 U8.36 | length 5965.4
  Top Layer w8: CN4.3@554.99,48.03 v1(555,105) ; TP6.1@2146,1873.36 2196,1873.36 2256,1933.36 2306,1933.36 2316,1943.36 v1(2316,1953.36) 2286.28,1983.09 U8.36@2286.28,2010.57
  Bottom Layer w8: v1(555,105) 555,55 540,40 420,40 400,60 400,125 375,150 160,150 100,210 100,780 20,860 20,1565 70,1615 320,1615 350,1645 350,1944 521,2115 521,2298.36 461,2358.36 461,2483.36 491,2513.36 2026,2513.36 2146,2393.36 2146,2278.36 2161,2263.36 2276,2263.36 2296,2243.36 2296,1973.36 v1(2316,1953.36)
IMU_SCL: CN4.2 TP8.1 U8.35 | length 5795.3
  Top Layer w8: CN4.2@515,48.65 v1(515,105) ; TP8.1@2076,1873.36 2076,1893.36 2091,1908.36 2201,1908.36 2246.59,1953.95 v1(2266.59,1953.95) U8.35@2266.59,2010.57
  Bottom Layer w8: v1(515,105) 515,70 505,60 450,60 435,75 435,140 400,175 170,175 125,220 125,790 45,870 45,1545 90,1590 340,1590 380,1630 380,1944 546,2110 546,2308.36 486,2368.36 486,2458.36 521,2493.36 2016,2493.36 2126,2383.36 2126,2263.36 2146,2243.36 2261,2243.36 2276,2228.36 2276,1963.36 v1(2266.59,1953.95)
IMU_SDA: CN4.1 TP10.1 U8.34 | length 5622.2
  Top Layer w8: CN4.1@475,49.28 v1(475,105) ; TP10.1@2006,1873.36 2006,1913.36 2021,1928.36 2191,1928.36 v1(2216,1953.36) 2246.91,1984.27 U8.34@2246.91,2010.57
  Bottom Layer w8: v1(475,105) 475,150 425,200 185,200 150,235 150,795 65,880 65,1520 110,1565 350,1565 405,1620 405,1910 581,2086 581,2313.36 516,2378.36 516,2438.36 546,2468.36 2011,2468.36 2106,2373.36 2106,2248.36 2131,2223.36 2241,2223.36 2256,2208.36 2256,1993.36 v1(2216,1953.36)
M1_FAULT: R39.1 U8.10 U10.18 | length 1752.2
  Top Layer w7: v1(1971,2328.36) 2096,2328.36 2109.1,2315.26 U8.10@2109.1,2286.16
  Top Layer w10: R39.1@1221,1746.63 1221,1703.36 1231,1693.36 1366,1693.36 1371.43,1698.79 U10.18@1371.43,1745.53
  Bottom Layer w7: v1(1221,1713.36) 1221,1793.36 1236,1808.36 1806,1808.36 1821,1823.36 1821,2303.36 1846,2328.36 v1(1971,2328.36)
M1_POUT_A1: CN1.5 U10.5 | length 1137.8
  Top Layer w15: U10.5@1524.98,1971.18 1524.98,2072.34 1551,2098.36 1771,2098.36 1806,2063.36 1806,1738.36 1840.64,1703.72 CN1.5@2196.96,1703.72
M1_POUT_A2: CN1.6 U10.8 | length 1232.6
  Top Layer w13.5: 1448.2,2025.57 1461,2038.36
  Top Layer w15: U10.8@1448.2,1971.18 1448.2,2025.57 ; 1461,2038.36 1461,2108.36 1476,2123.36 1801,2123.36 1836,2088.36 1836,1763.36 1856.27,1743.09 CN1.6@2196.96,1743.09
M1_POUT_A3: CN1.7 U10.9 | length 1598.4
  Top Layer w13.5: 1411,2038.36 1422.61,2026.75
  Top Layer w15: 1411,2038.36 1411,2218.36 1516,2323.36 1881,2323.36 1906,2298.36 1906,1798.36 1921.9,1782.46 CN1.7@2196.96,1782.46 ; U10.9@1422.61,1971.18 1422.61,2026.75
M1_PWM_EN: U8.13 U10.22 U10.24 U10.26 | length 1257
  Top Layer w7: v1(1971,2288.36) 2031,2288.36 2040.21,2279.15 U8.13@2040.21,2256.62
  Top Layer w10: v1(1466,1698.36) 1473.8,1706.16 U10.22@1473.8,1745.53 v1(1473.8,1786.16) ; U10.26@1576.16,1745.53 v1(1576.16,1788.2)
  Bottom Layer w7: v1(1576.16,1788.2) 1821,1788.2 1841,1808.2 1841,2208.36 1921,2288.36 v1(1971,2288.36)
  Bottom Layer w8: v1(1466,1698.36) 1466,1778.36 v1(1473.8,1786.16) v1@1574.11,1786.16
  other v1: 1524.98,1787.34
M1_PWM_IN1: U8.14 U10.27 | length 1002.5
  Top Layer w7: v1(1971,2258.36) 1981,2258.36 2002.43,2236.93 U8.14@2040.21,2236.93
  Top Layer w10: v1@1601.75,1698.36 U10.27@1601.75,1745.53
  Bottom Layer w7: v1(1601,1698.36) 1851,1698.36 1866,1713.36 1866,2183.36 1941,2258.36 v1(1971,2258.36)
M1_PWM_IN2: U8.15 U10.25 | length 1043.6
  Top Layer w7: v1(1971,2228.36) 1981,2228.36 1992.11,2217.25 U8.15@2040.21,2217.25
  Top Layer w10: v1@1550.57,1698.36 U10.25@1550.57,1745.53
  Bottom Layer w7: v1(1551,1698.36) 1571,1678.36 1866,1678.36 1891,1703.36 1891,2158.36 1961,2228.36 v1(1971,2228.36)
M1_PWM_IN3: U8.16 U10.23 | length 1103.9
  Top Layer w7: v1(1971,2198.36) 2039.42,2198.36 U8.16@2040.21,2197.56
  Top Layer w10: v1(1499.39,1698.36) U10.23@1499.39,1745.53
  Bottom Layer w7: v1(1499.39,1698.36) 1539.39,1658.36 1886,1658.36 1916,1688.36 1916,2158.36 1956,2198.36 v1(1971,2198.36)
M1_SCL: R6.1 U8.17 | length 794.2
  Top Layer w7: v1(1971,2168.36) 1991,2168.36 2000.52,2177.88 U8.17@2040.21,2177.88 ; R6.1@2121,1625.09 v1(2121,1658.36)
  Bottom Layer w7: v1(1971,2168.36) 1941,2138.36 1941,1683.36 1966,1658.36 v1(2121,1658.36)
M1_SDA: R5.1 U8.24 | length 856.3
  Top Layer w7: v1(2121,1468.36) R5.1@2121,1501.63
  Top Layer w8: v1(1971,2013.36) 1976,2013.36 2002.72,2040.08 U8.24@2040.21,2040.08
  Bottom Layer w8: v1(1971,2013.36) 1971,1703.36 1991,1683.36 2136,1683.36 2161,1658.36 2161,1478.36 2151,1468.36 v1(2121,1468.36)
M2_FAULT: R40.1 U9.10 U11.18 | length 2767.5
  Top Layer w7: U9.10@2246.9,150.56 2246.9,97.46 v1(2251,93.36)
  Top Layer w13: R40.1@1221,1361.63 v1(1221,1323.36) 1236,1308.36 1366,1308.36 1371.43,1313.79 U11.18@1371.43,1365.53
  Bottom Layer w8: v1(1221,1323.36) 1161,1323.36 1146,1308.36 1146,923.36 1326,743.36 1846,743.36 1871,718.36 1871,208.36 2086,-6.64 2291,-6.64 2306,8.36 2306,84.8 2287.44,103.36 2261,103.36 v1(2251,93.36)
M2_POUT_A1: CN2.5 U11.5 | length 1072.3
  Top Layer w15: U11.5@1524.98,1591.18 1524.98,1647.34 1546,1668.36 1721,1668.36 1751,1638.36 1751,1518.36 1766,1503.36 2011,1503.36 2031,1483.36 2031,1308.36 2063.64,1275.72 CN2.5@2196.96,1275.72
M2_POUT_A2: CN2.6 U11.8 | length 1606.1
  Top Layer w15: 1186,1628.36 v1(1186,1638.36) 1186,1663.36 1196,1673.36 1456,1673.36 1466,1663.36 1466,1648.36 1448.2,1630.57 U11.8@1448.2,1591.18 ; v1(2136,1318.36) 2193.7,1318.36 CN2.6@2196.96,1315.09
  Bottom Layer w15: v1(1186,1613.36) 1186,1453.36 1211,1428.36 1871,1428.36 1981,1318.36 v1(2111,1318.36)
M2_POUT_A3: CN2.7 U11.9 | length 1015.9
  Top Layer w15: v1(1421,1638.36) 1421,1558.36 v1(1426,1553.36) ; v1(2136,1353.36) 2195.87,1353.36 CN2.7@2196.96,1354.46
  Bottom Layer w15: v1(1426,1553.36) 1986,1553.36 2001,1538.36 2001,1368.36 2016,1353.36 v1(2111,1353.36)
M2_PWM_EN: U9.13 U11.22 U11.24 U11.26 | length 2099.8
  Top Layer w7: U9.13@2315.8,180.1 2315.8,141.84 2322.64,135 v1(2365,135)
  Top Layer w10: v1(1451,1308.36) 1473.8,1331.16 U11.22@1473.8,1365.53 ; v1(1521,1308.36) 1521,1313.36 1524.98,1317.34 U11.24@1524.98,1365.53 ; U11.26@1576.16,1365.53 1576.16,1313.2 v1(1581,1308.36)
  Bottom Layer w8: v1(1581,1308.36) 1581,1293.36 1591,1283.36 1811,1283.36 1911,1183.36 1911,978.36 2101,788.36 2101,488.36 2266,323.36 2266,228.36 2361,133.36 2362.64,135 v1(2365,135)
  Bottom Layer w10: v1(1451,1308.36) 1451,1323.36 1461,1333.36 1521,1333.36 ; v1(1521,1308.36) 1521,1333.36 ; v1(1581,1308.36) 1581,1323.36 1571,1333.36 1521,1333.36
M2_PWM_IN1: U9.14 U11.27 | length 1728.8
  Top Layer w7: U9.14@2315.79,199.79 2334.57,199.79 2346,188.36 2346,173.36 2356,163.36 v1(2371,163.36)
  Top Layer w10: U11.27@1601.75,1365.53 1601.75,1317.61 v1(1611,1308.36)
  Bottom Layer w7: v1(1611,1308.36) 1821,1308.36 1936,1193.36 1936,988.36 2126,798.36 2126,498.36 2291,333.36 2291,233.36 2361,163.36 v1(2371,163.36)